# Altium PCB HYDRA_V4_LINK_OLD.PcbDoc (part 1 of 2) (continued)
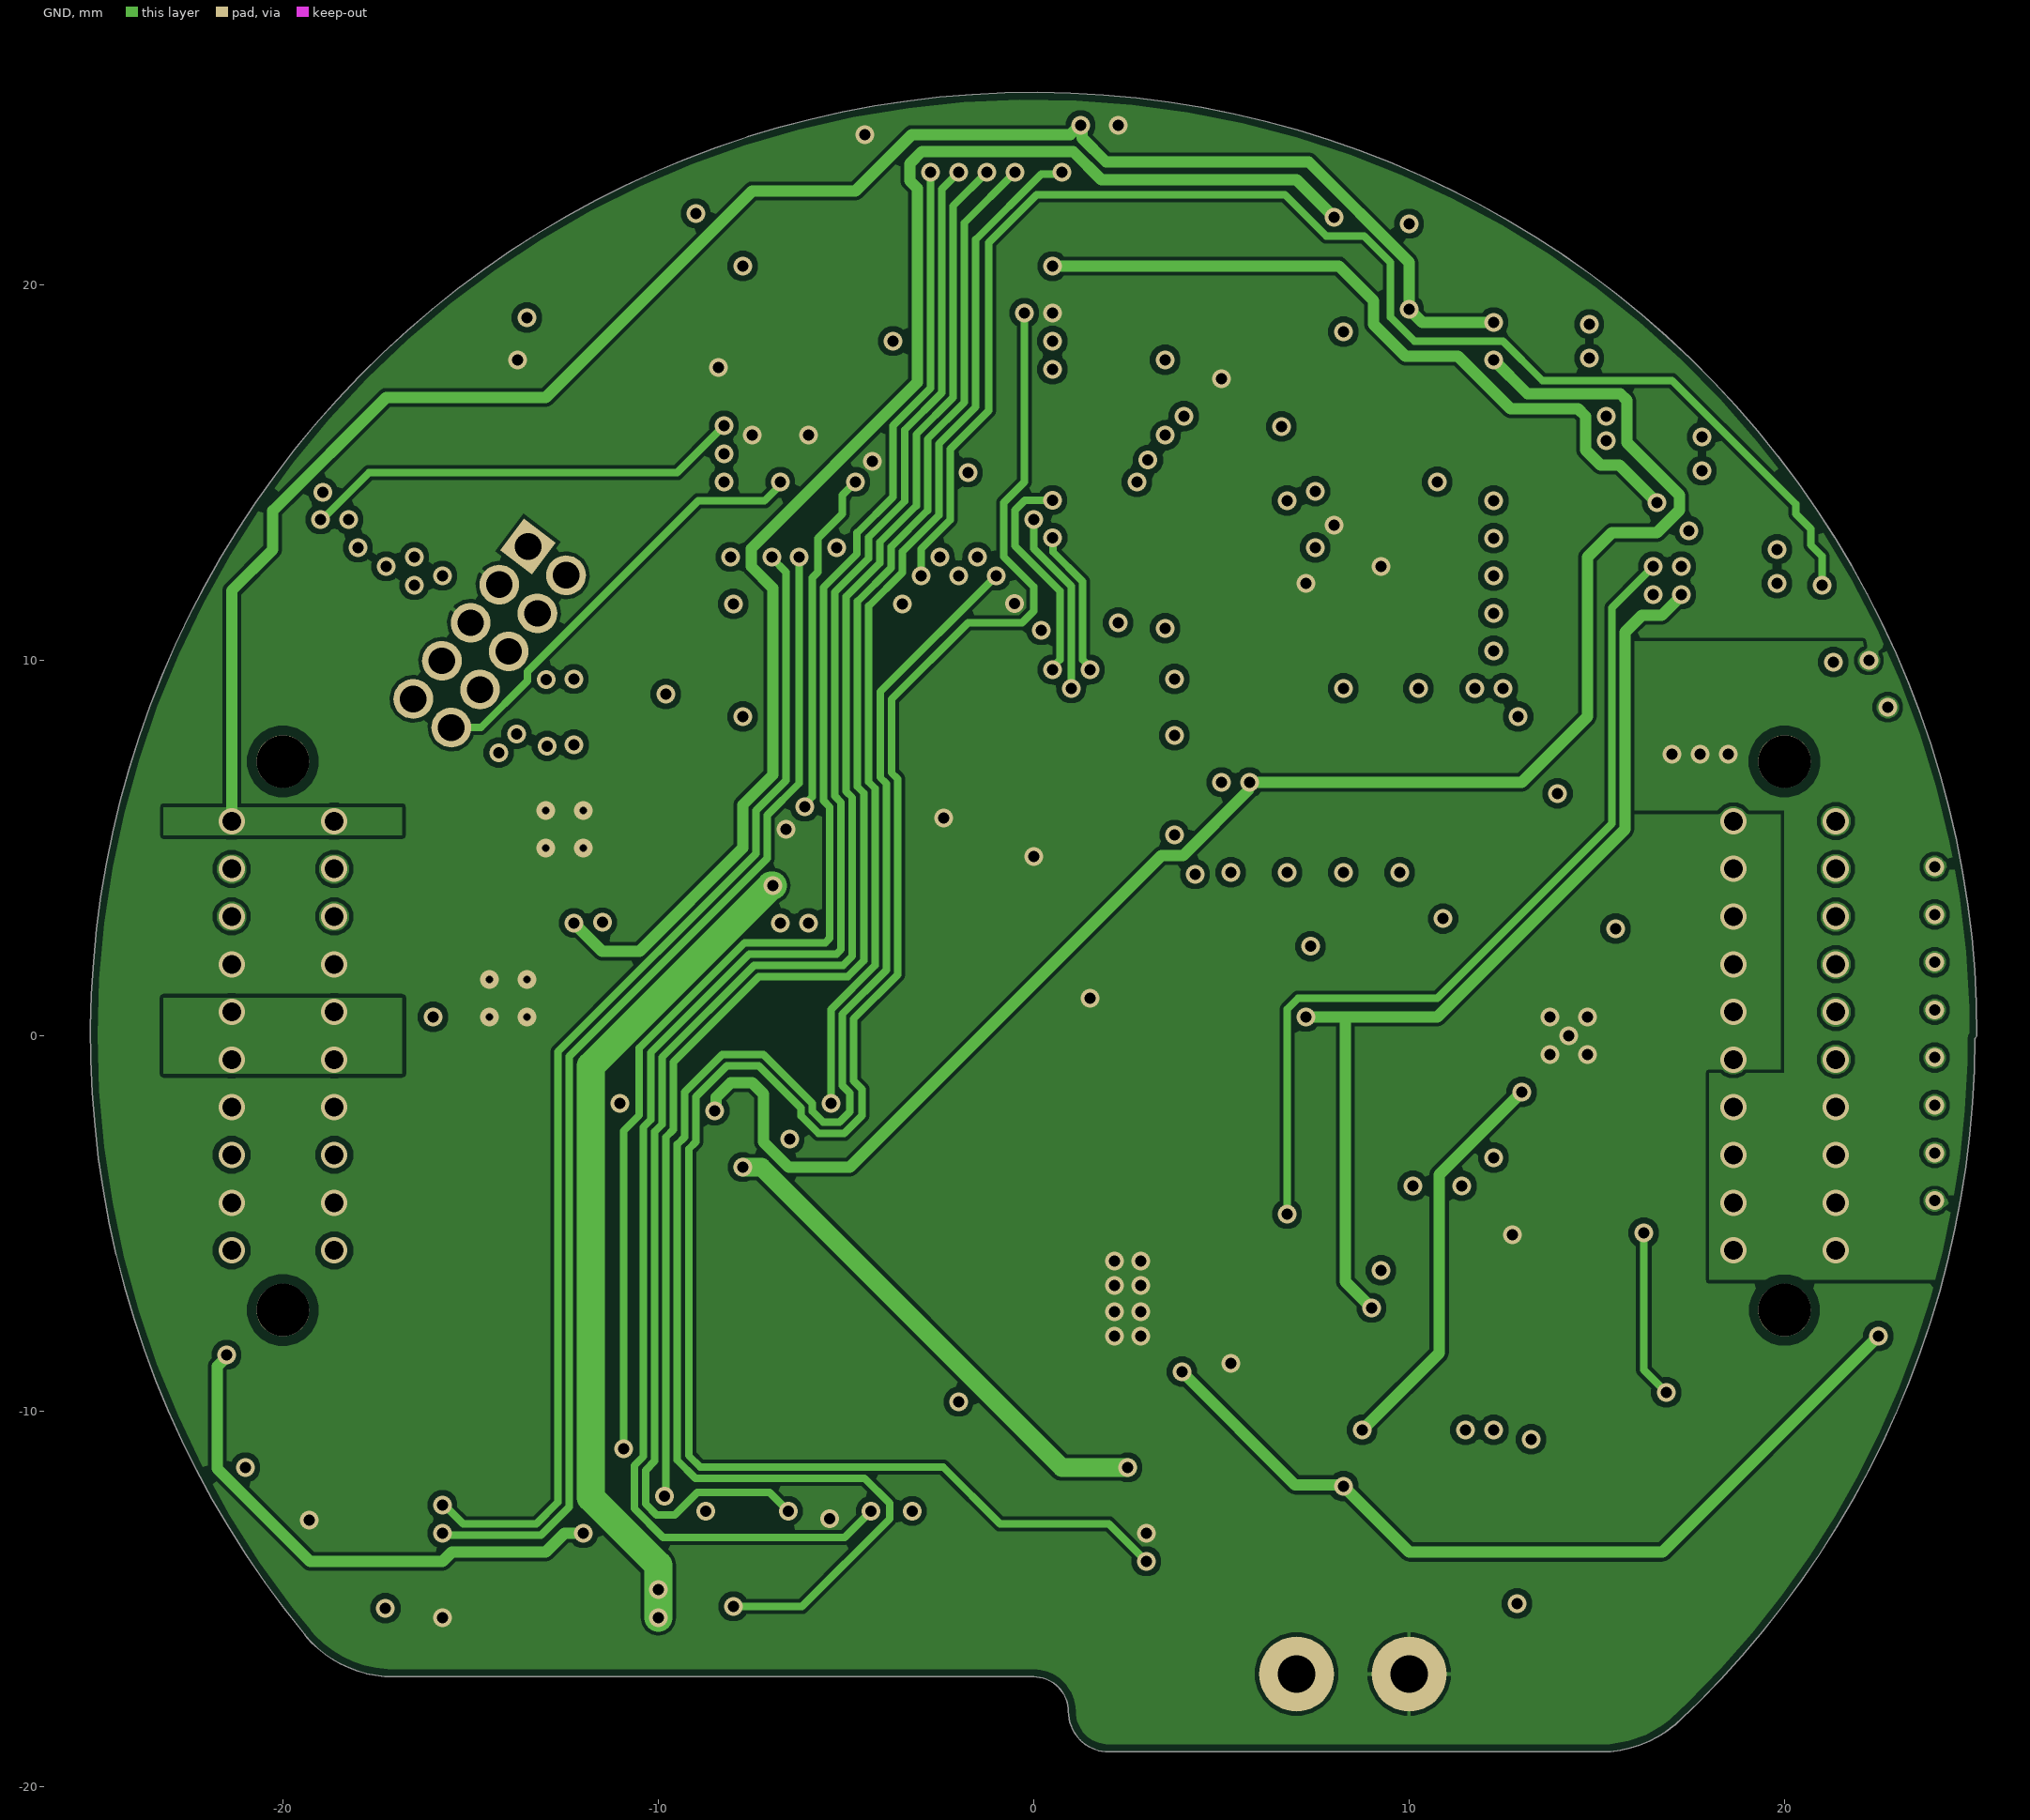
[diagram p3: GND]
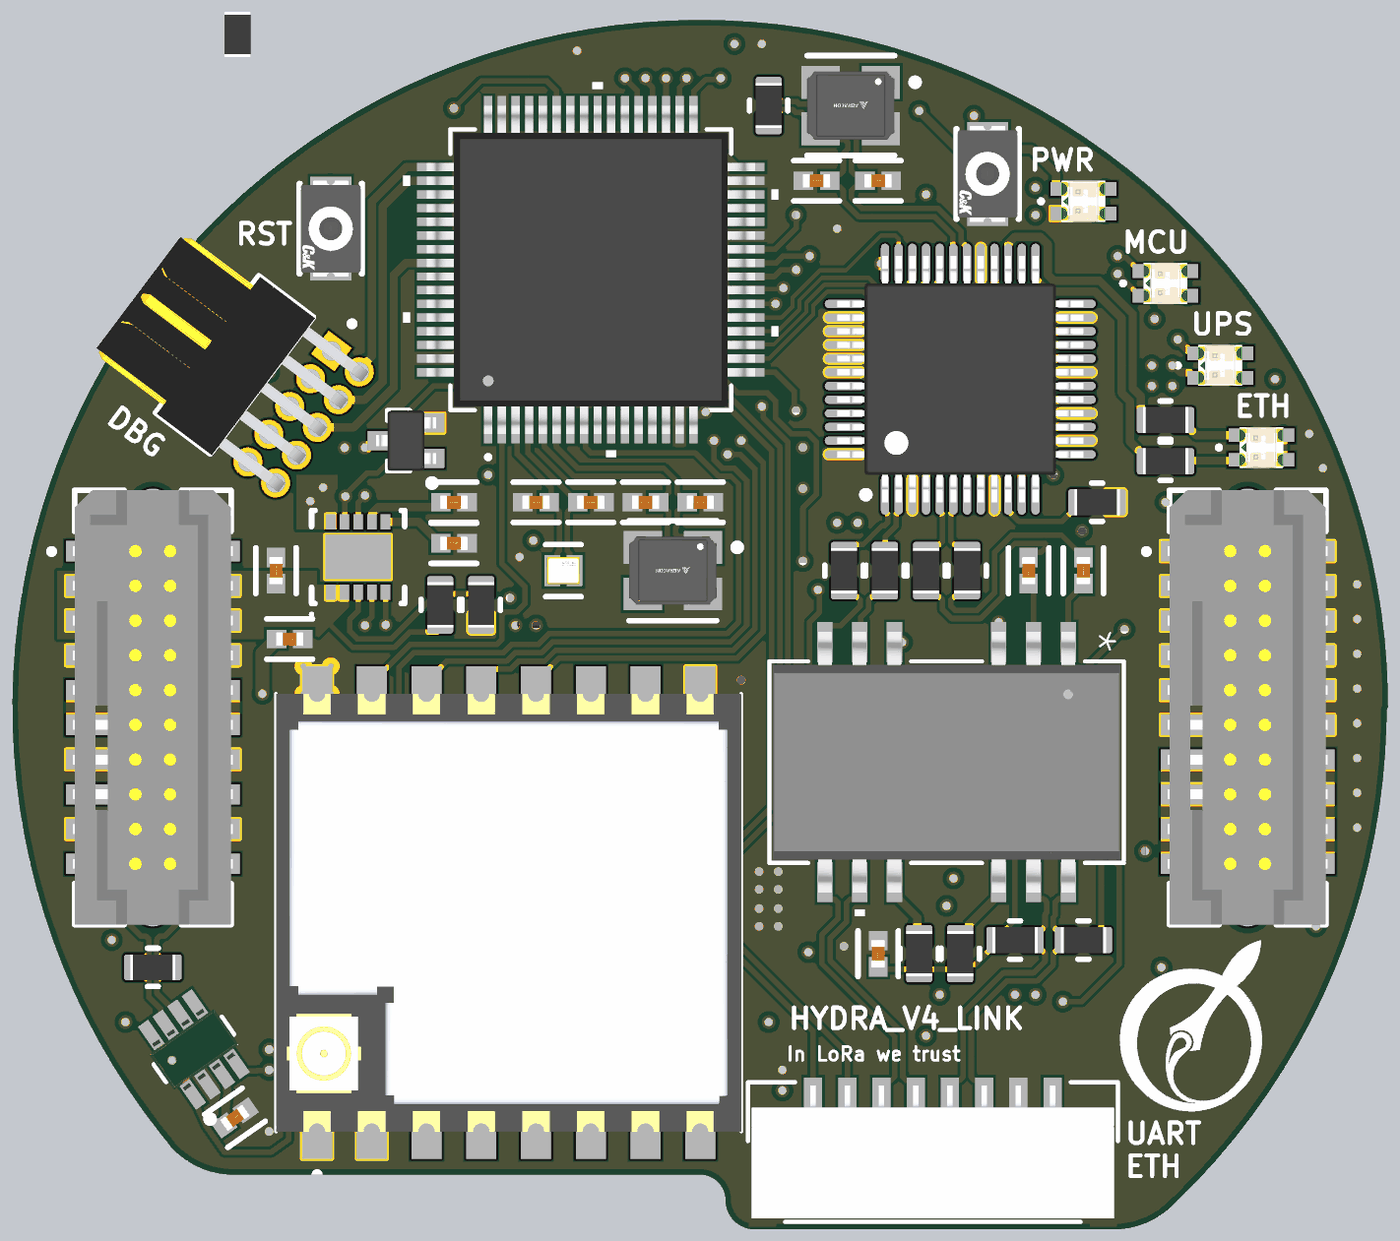
[diagram p5: 3D render of the assembled board from above, using the file's embedded part models]
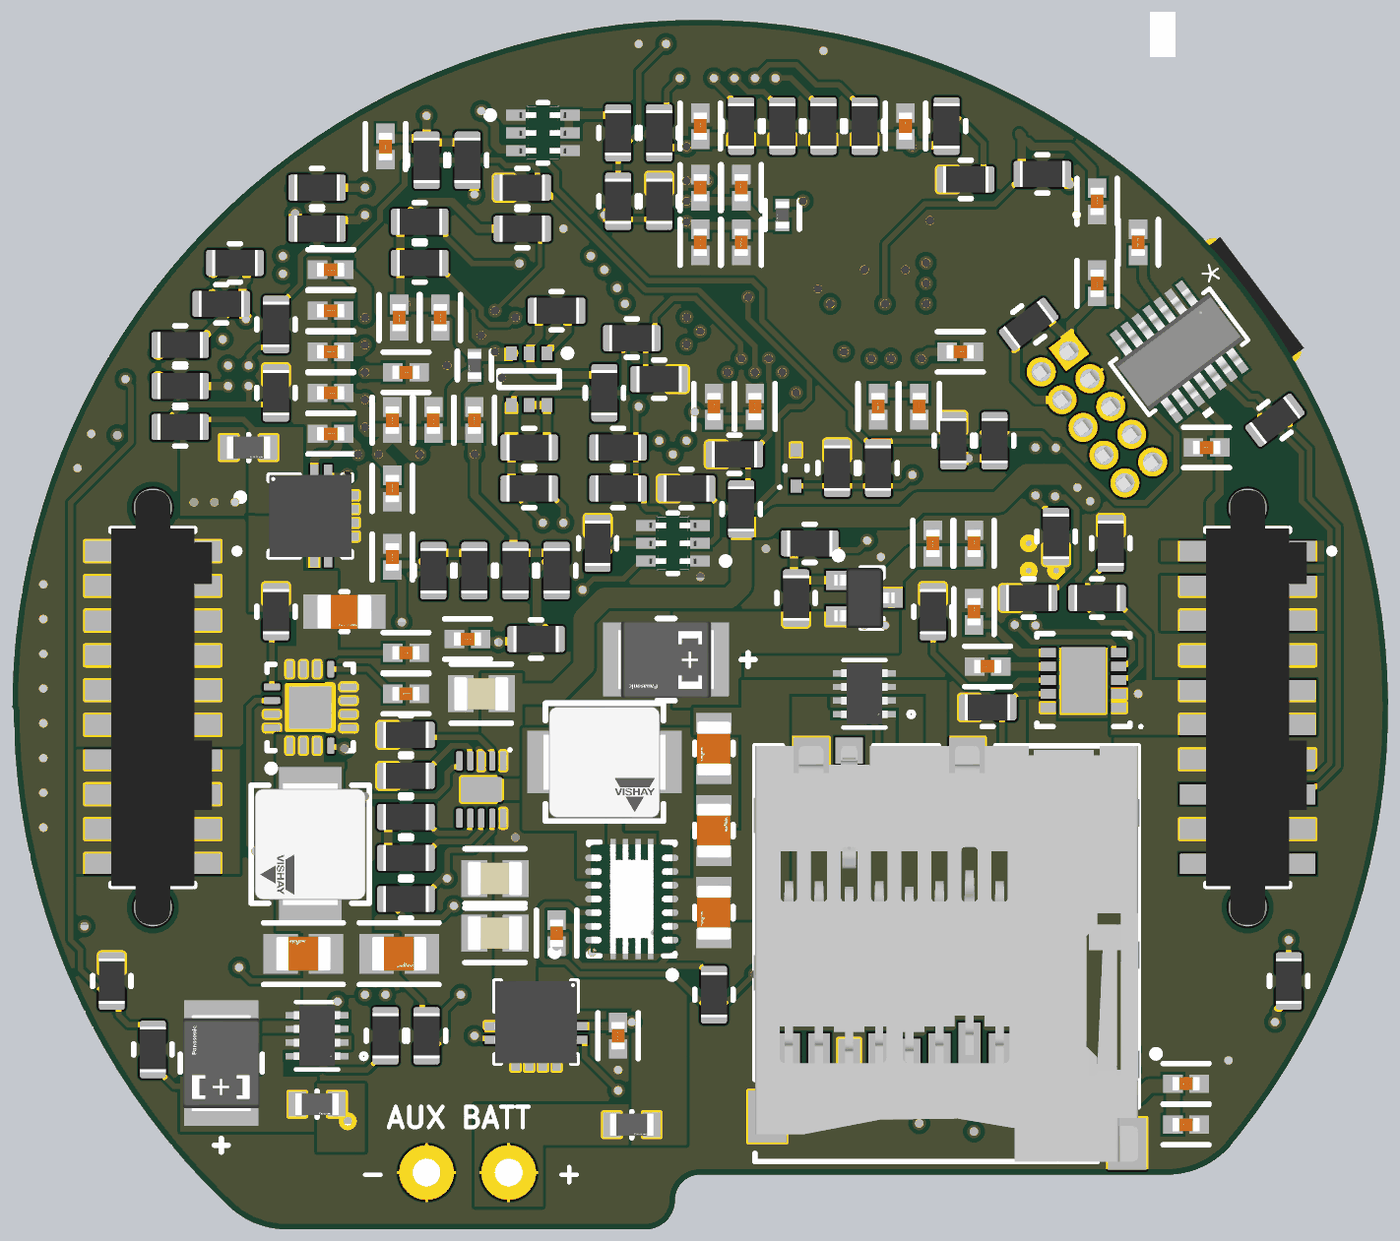
[diagram p6: 3D render of the assembled board from below, using the file's embedded part models]

## Layer stack, top to bottom
Top Solder: solder mask 0.0127, Solder Resist, Dk 3.8
TOP SIG: signal copper 0.035
Dielectric 1: prepreg 0.2104, 7628, Dk 4.6
PWR + INT SIG: signal copper 0.0152
Core: core 1.065, FR-4, Dk 4.5
GND: signal copper 0.0152
Dielectric 2: prepreg 0.2104, 7628, Dk 4.6
BOTTOM SIG: signal copper 0.035
Bottom Solder: solder mask 0.0127, Solder Resist, Dk 3.8

## Board outline
-17.004,-17.075 0,-17.076 0.006,-17.075 cw(c0,-18) 0.925,-17.999 0.925,-18 ccw(c2,-18) 2,-19.075 15.1,-19.075 ccw(c15.1,-16) 17.058,-18.372 17.083,-18.356 ccw(c0,0) 25.075,-0.071 25.126,0 ccw(c0,0) -19.423,-15.939 -19.406,-15.977 ccw(c-17.05,-14)

## Design rules (kind name [scope] priority, off if disabled: settings)
BoardOutlineClearance [All] p1: gap=0.2 ignorepadtopadclearanceinfootprint=FALSE
Clearance [All] p1: gap=0.102 ignorepadtopadclearanceinfootprint=FALSE except(0.127: Arc-Via Track-Via SMDPad-Via THPad-Via Via-Via Via-Fill Via-Poly Via-Region Via-Text; 0.25: Arc-Hole Track-Hole SMDPad-Hole THPad-Hole Via-Hole Fill-Hole Poly-Hole Region-Hole Text-Hole)
ComponentClearance [All] p1: gap=0.102 collisioncheckmode=3 verticalgap=0.102 showdistances=TRUE
DiffPairsRouting [All] p1: maxlimit=0.102 minlimit=0.102 mostfreqgap=0.102 toplayer_minwidth=0.102 toplayer_maxwidth=1816.048 toplayer_prefwidth=0.102 midlayer1_minwidth=0.102 midlayer1_maxwidth=1816.048 midlayer1_prefwidth=0.102 midlayer2_minwidth=0.102 midlayer2_maxwidth=1816.048 midlayer2_prefwidth=0.102 bottomlayer_minwidth=0.102 bottomlayer_maxwidth=1816.048 bottomlayer_prefwidth=0.102 maxuncoupledlength=12.7
Height [All] p1: minheight=0 maxheight=1816.048 prefheight=12.7
HoleSize [All] p1: absolutevalues=TRUE maxlimit=6.3 minlimit=0.2 maxpercent=80.000 minpercent=20.000
HoleToHoleClearance [All] p1: gap=0.25 allowstackedmicrovias=FALSE
MinimumAnnularRing [All] p1: minimumring=0.076
MinimumSolderMaskSliver [All] p1: minsoldermaskwidth=0
PlaneClearance [All] p1: clearance=0.102
PlaneConnect PlaneConnectPowerPads [InPadClass('PowerPads')] p1: planeconnectstyle=Direct reliefexpansion=0.508 reliefentries=4 reliefconductorwidth=0.254 reliefairgap=0.254
PlaneConnect [All] p2: pad.planeconnectstyle=Relief pad.reliefexpansion=0.3 pad.reliefentries=4 pad.reliefconductorwidth=0.102 pad.reliefairgap=0.102 via.planeconnectstyle=Direct via.reliefexpansion=0.3 via.reliefentries=4 via.reliefconductorwidth=0.127 via.reliefairgap=0.127
PolygonConnect PolygonConnectPowerPads [All vs (InPadClass('PowerPads'))] p1: connectstyle=Direct reliefconductorwidth=0.254 reliefentries=4 polygonreliefangle="90 Angle" airgapwidth=0.254
PolygonConnect [All] p2: thpad.connectstyle=Relief thpad.reliefconductorwidth=0.102 thpad.reliefentries=4 thpad.polygonreliefangle="90 Angle" thpad.airgapwidth=0.102 smdpad.connectstyle=Direct smdpad.reliefconductorwidth=0.102 smdpad.reliefentries=4 smdpad.polygonreliefangle="90 Angle" smdpad.airgapwidth=0.102 via.connectstyle=Direct via.reliefconductorwidth=0.127 via.reliefentries=4 via.polygonreliefangle="90 Angle" via.airgapwidth=0.127
RoutingVias [All] p1: holewidth=0.2 width=0.45 viastyle="Through Hole" minholewidth=0.2 minwidth=0.45 maxholewidth=6.3 maxwidth=6.55
SilkToSilkClearance [All] p1: silktosilkclearance=0
SilkToSolderMaskClearance [IsPad] p1: minsilkscreentomaskgap=0.102 clearancetoexposedcopper=TRUE
SolderMaskExpansion [All] p1: expansion=0.075 istentingtop=FALSE
Width [All] p1: maxlimit=1816.048 minlimit=0.102 preferedwidth=0.102
Width Width_50SINGLE [InNetClass('50SINGLE')] p2: maxlimit=0.355 minlimit=0.264 preferedwidth=0.355 toplayer_minwidth=0.355 midlayer1_maxwidth=0.264 midlayer1_prefwidth=0.264 midlayer2_maxwidth=0.264 midlayer2_prefwidth=0.264 bottomlayer_minwidth=0.355 impedanceprofiledriven=TRUE impedanceprofileid={61503230-CAF7-4D86-9F86-0761DBFA93B6} impedanceprofilevalue=50.000000 minimp=50.000000 maximp=50.000000 favimp=50.000000
20 further rules are at their usual default settings.

## Classes and differential pairs
net class CAN: CAN0_N CAN0_P CAN1_N CAN1_P
component class FDCAN_1: C68 R101 U15
component class FDCAN_0: C62 C63 C64 C65 R96 R97 R98 SW3 U13
differential pair class ETHERNET: ETH_RX ETH_TX RAW_RX RAW_TX RX TX
differential pair class ETH_RAW: RAW_RX RAW_TX
component class OC_PROT: C1 C2 C3 C4 C5 C6 D1 D2 Q5 R1 R2 R3 R4 R5 R6 R7 R8 R9 R10 R11 R12 R13 R14 R15 R16 R26 R83 R84 U1 U2
component class AUX_RADIO_UPS: C20 C21 C22 C23 C24 C25 C26 F2 F3 L2 Q3 R42 R43 R46 R47 R50 R54 R55 R56 R57 R58 R59 U8 U9 U10
component class RADIO: C16 C17 Q2 R34 R35 U7
component class UPS: C7 C8 C9 C10 C11 C12 C13 C14 C15 D3 F1 L1 Q1 R17 R18 R19 R20 R21 R22 R23 R24 R25 R27 R28 R29 R30 R31 R32 U3 U4 U5 U6
component class SD: C18 C19 R36 R37 R38 R39 R40 R41 SD1
component class ETHERNET: C27 C28 C29 C30 C31 C32 C33 C34 C35 C36 C37 C38 C39 C40 C41 C42 C43 C44 D5 FB1 Q4 R60 R61 R62 R63 R64 R65 R66 R67 R68 R69 R70 R71 R72 R73 R74 R75 R76 R77 R78 R79 R80 R81 R82 T1 U11 Y1
component class HYDRA_V4_LINK: J1 J2 J3 J4 J6
component class MCU: C45 C46 C47 C48 C49 C50 C51 C52 C53 C54 C55 C56 C57 C58 C59 C61 D7 FB2 J5 R85 R90 R91 R93 R95 SW2 U12 Y2 Y3
differential pair X: +X_P -X_N
differential pair X32: +X32_P -X32_N
differential pair ETH_X: +ETH_X_P -ETH_X_N
differential pair TX: +TX_P -TX_N
differential pair RX: +RX_P -RX_N
differential pair RAW_TX: +RAW_TX_P -RAW_TX_N
differential pair RAW_RX: +RAW_RX_P -RAW_RX_N
differential pair ETH_TX: +ETH_TX_P -ETH_TX_N
differential pair ETH_RX: +ETH_RX_P -ETH_RX_N
differential pair CAN1: +CAN1_P -CAN1_N
differential pair CAN0: +CAN0_P -CAN0_N

## Components (designator, comment, footprint, x,y, rotation, side; value= is the part's Value field where it differs from the comment)
C1 "100n" FP-0402-L_1_0_0_05-W_0_5-IPC_A -15.5,5 r90 top
C2 "100n" FP-0402-L_1_0_0_05-W_0_5-IPC_A -9,7.5 r0 top
C3 "TBD" FP-0402-L_1_0_0_05-W_0_5-IPC_A -9,6 r0 top
C4 "100n" FP-0402-L_1_0_0_05-W_0_5-IPC_A -15,2.5 r0 top
C5 "100n" FP-0402-L_1_0_0_05-W_0_5-IPC_A -10.5,1.5 r0 bottom
C6 "TBD" FP-0402-L_1_0_0_05-W_0_5-IPC_A -10,3.5 r90 bottom
C7 "C0805C106K8PACTU" FP-C0805C-DG-MFG 8,0.5 r0 bottom value=10uF
C8 "100n" FP-0402-L_1_0_0_05-W_0_5-IPC_A 3,-12 r270 bottom
C9 "C0805C106K8PACTU" FP-C0805C-DG-MFG 7.5,-6.25 r0 bottom value=10uF
C10 "C0805C106K8PACTU" FP-C0805C-DG-MFG 7.5,-8.25 r0 bottom value=10uF
C11 "GRM21BR60J226ME39L" FP-GRM21B-0_15-MFG -0.5,-7.5 r270 bottom
C12 "GRM21BR60J226ME39L" FP-GRM21B-0_15-MFG -0.5,-4.5 r90 bottom
C13 "GRM21BR60J226ME39L" FP-GRM21B-0_15-MFG -0.5,-1.5 r270 bottom
C14 "100n" FP-0402-L_1_0_0_05-W_0_5-IPC_A 5.25,-8.25 r270 bottom
C15 "4TPE100MZB" FP-POSCAP-B2-MFG 1.25,1.75 r180 bottom
C16 "10u" FP-0402-L_1_0_0_05-W_0_5-IPC_A -8.5,6 r90 bottom
C17 "100n" FP-0402-L_1_0_0_05-W_0_5-IPC_A -10,6 r90 bottom
C18 "10u" FP-0402-L_1_0_0_05-W_0_5-IPC_A -17.75,-15.25 r180 bottom
C19 "100n" FP-0402-L_1_0_0_05-W_0_5-IPC_A -17.75,-13.75 r180 bottom
C20 "100n" FP-0402-L_1_0_0_05-W_0_5-IPC_A 13.5,10 r0 bottom
C21 "GRM21BR61E226ME44L" FP-GRM21B-0_2-e0_2_0_7-IPC_B 14.5,-9 r0 bottom
C22 "GRM21BR61E226ME44L" FP-GRM21B-0_2-e0_2_0_7-IPC_B 11,-9 r180 bottom
C23 "TMK212BBJ106KG-T" FP-0805-L_2_0_0_2-W_1_25-MFG 13,3.5 r180 bottom
C24 "100n" FP-0402-L_1_0_0_05-W_0_5-IPC_A 10.75,2 r180 bottom
C25 "3.3n" FP-0402-L_1_0_0_05-W_0_5-IPC_A 10.75,0.5 r0 bottom
C26 "4TPE100MZB" FP-POSCAP-B2-MFG 17.5,-13 r270 bottom
C27 "6.8n" FP-0402-L_1_0_0_05-W_0_5-IPC_A 14,5 r270 top
C28 "6.8n" FP-0402-L_1_0_0_05-W_0_5-IPC_A 12,5 r270 top
C29 "22n" FP-0402-L_1_0_0_05-W_0_5-IPC_A 8.5,2.5 r0 bottom
C30 "10n" FP-0402-L_1_0_0_05-W_0_5-IPC_A 11.25,5.5 r90 bottom
C31 "4.7n" FP-0402-L_1_0_0_05-W_0_5-IPC_A 6.5,-9 r90 top
C32 "10u" FP-0402-L_1_0_0_05-W_0_5-IPC_A 9.75,10.5 r90 bottom
C33 "100n" FP-0402-L_1_0_0_05-W_0_5-IPC_A 8.25,10.5 r90 bottom
C34 "100n" FP-0402-L_1_0_0_05-W_0_5-IPC_A 11.25,10.5 r90 bottom
C35 "100n" FP-0402-L_1_0_0_05-W_0_5-IPC_A 11.25,8 r270 bottom
C36 "100n" FP-0402-L_1_0_0_05-W_0_5-IPC_A 13.5,11.5 r0 bottom
C37 "100n" FP-0402-L_1_0_0_05-W_0_5-IPC_A 13.5,13 r0 bottom
C38 "100n" FP-0402-L_1_0_0_05-W_0_5-IPC_A 13.5,14.5 r0 bottom
C39 "10u" FP-0402-L_1_0_0_05-W_0_5-IPC_A 9.5,14.25 r270 bottom
C40 "100n" FP-0402-L_1_0_0_05-W_0_5-IPC_A 11,14.25 r270 bottom
C41 "10n" FP-0402-L_1_0_0_05-W_0_5-IPC_A 13.5,16 r0 bottom
C42 "4.7u" FP-0402-L_1_0_0_05-W_0_5-IPC_A 10.75,12.25 r180 bottom
C43 "30p" FP-0402-L_1_0_0_05-W_0_5-IPC_A 6.5,19.25 r0 top
C44 "30p" FP-0402-L_1_0_0_05-W_0_5-IPC_A 4.25,19.25 r180 top
C45 "4.7u" FP-0402-L_1_0_0_05-W_0_5-IPC_A -2,11 r90 bottom
C46 "100n" FP-0402-L_1_0_0_05-W_0_5-IPC_A -0.5,11 r90 bottom
C47 "100n" FP-0402-L_1_0_0_05-W_0_5-IPC_A 0,21.25 r90 bottom
C48 "100n" FP-0402-L_1_0_0_05-W_0_5-IPC_A -7.5,21.25 r90 bottom
C49 "100n" FP-0402-L_1_0_0_05-W_0_5-IPC_A -9.5,13 r180 bottom
C50 "1u" FP-0402-L_1_0_0_05-W_0_5-IPC_A -1.5,19 r90 bottom
C51 "100n" FP-0402-L_1_0_0_05-W_0_5-IPC_A 0,19 r90 bottom
C52 "1u" FP-0402-L_1_0_0_05-W_0_5-IPC_A -6.5,11 r270 bottom
C53 "100n" FP-0402-L_1_0_0_05-W_0_5-IPC_A -8,11 r270 bottom
C54 "1u" FP-0402-L_1_0_0_05-W_0_5-IPC_A -1.5,17 r270 bottom
C55 "100n" FP-0402-L_1_0_0_05-W_0_5-IPC_A 0,17 r270 bottom
C56 "30p" FP-0402-L_1_0_0_05-W_0_5-IPC_A 0,7.5 r0 top
C57 "30p" FP-0402-L_1_0_0_05-W_0_5-IPC_A -2,7.5 r180 top
C58 "18p" FP-0402-L_1_0_0_05-W_0_5-IPC_A -6,7.5 r180 top
C59 "18p" FP-0402-L_1_0_0_05-W_0_5-IPC_A -4,7.5 r0 top
C61 "100n" FP-0402-L_1_0_0_05-W_0_5-IPC_A -14.5,18.5 r270 bottom
C62 "100n" FP-0402-L_1_0_0_05-W_0_5-IPC_A -16,17 r90 bottom
C63 "100n" FP-0402-L_1_0_0_05-W_0_5-IPC_A -18.5,9.5 r0 bottom
C64 "100n" FP-0402-L_1_0_0_05-W_0_5-IPC_A -14.5,15.5 r90 bottom
C65 "100n" FP-0402-L_1_0_0_05-W_0_5-IPC_A 11.5,20.5 r270 bottom
C68 "100n" FP-0402-L_1_0_0_05-W_0_5-IPC_A -17,-15 r35 top
D1 "MM5Z3V3T1G" ONSC-SOD-523-2-502-01_V -3.5,8.75 r90 bottom
D2 "150066RG54050" WL-SBCD_0606 14,18.5 r90 top locked
D3 "150066RG54050" WL-SBCD_0606 19,12.5 r90 top locked
D5 "150066RG54050" WL-SBCD_0606 20.5,9.5 r90 top locked
D7 "150066RG54050" WL-SBCD_0606 17,15.5 r90 top locked
F1 "ERB-RE2R00V" FP-ERBRE-MFG 2.5,-15.25 r180 bottom
F2 "ERB-RE2R00V" FP-ERBRE-MFG 16.5,9.5 r180 bottom
F3 "ERB-RE2R00V" FP-ERBRE-MFG 14,-14.5 r180 bottom
FB1 "BLM15AG121SN1D" FP-BLM15-0_05-MFG 8.25,12.5 r270 bottom
FB2 "BLM15PX601SN1D" FP-BLM15-0_05-MFG -3,18 r270 bottom
J1 "SFML-110-02-L-D-A" SFML-110-02-L-D-A-Footprint-1 -20,0 r270 bottom locked
J2 "SFML-110-02-L-D-A" SFML-110-02-L-D-A-Footprint-1 20,0 r270 bottom locked
J3 "TFML-110-02-L-D-A" TFML-110-02-L-D-A-Footprint-1 -20,0 r270 top locked
J4 "TFML-110-02-L-D-A" TFML-110-02-L-D-A-Footprint-1 20,0 r270 top locked
J5 "FTSH-105-01-F-D-RA-K" FTSH-105-01-F-D-RA-K-Footprint-1 -15,11 r53 top locked
J6 "SM08B-GHS-TB(LF)(SN);-" SM08B-GHS-TB(LF)(SN);--Footprint-1 8.5,-16.25 r0 top locked
L1 "IHLP1616ABER1R0M01" FP-IHLP-1616AB-FP_1_8545x-MFG 3.5,-2 r180 bottom
L2 "IHLP1616ABER1R0M01" FP-IHLP-1616AB-FP_1_8545x-MFG 14.25,-5 r270 bottom
Q1 "BSS138W-7-F" DIOD-SOT323-3_V -10.75,9.75 r180 top
Q2 "DMG1013UW-7" DIOD-SOT323-3_V -6,4 r180 bottom
Q3 "SSM6N7002KFU,LF" FP-SSOP6-P-0_65A-MFG 1,6 r0 bottom
Q4 "NTJD4105CT1G/findCheaperALT" ONSC-SOT-363-6-419B-02_W_V 6.25,12 r270 bottom
Q5 "SSM6N7002KFU,LF" FP-SSOP6-P-0_65A-MFG 5.75,21 r180 bottom
R1 "1M" R0603B -9.5,3.75 r90 top
R2 "680k" R0603B -8,3.75 r270 top
R3 "1k" R0603B -1.5,7.25 r270 bottom
R4 "68k" R0603B -13,6.25 r270 bottom
R5 "110k" R0603B -12,4 r0 bottom
R6 "10k" R0603B -1.25,9.25 r180 bottom
R7 "1k" R0603B -6.5,8.75 r90 bottom
R8 "100k" R0603B -5,8.75 r270 bottom
R9 "1M" R0603B -14.5,4 r0 bottom
R10 "680k" R0603B -15,6 r90 bottom
R11 "10k" R0603B 2.5,13.5 r0 bottom
R12 "68k" R0603B -8.5,3.5 r90 bottom
R13 "110k" R0603B -10.5,0 r0 bottom
R14 "10k" R0603B 1.5,12 r0 bottom
R15 "330" R0603B 14,17.5 r0 bottom
R16 "1k" R0603B 14,19 r0 bottom
R17 "560" R0603B 10.75,-1 r0 bottom
R18 "10k" R0603B 10.75,-4 r180 bottom
R19 "10k" R0603B 10.75,-5.5 r180 bottom
R20 "1k" R0603B 10.75,-2.5 r0 bottom
R21 "10k" R0603B 10.75,-7 r180 bottom
R22 "2.7k" R0603B 19,11.75 r180 bottom
R23 "1k" R0603B 19,13.25 r180 bottom
R24 "100k" R0603B 15.5,14 r90 bottom
R25 "100k" R0603B 6.5,19 r0 bottom
R26 "100k" R0603B 3,21 r90 bottom
R27 "100k" R0603B 6.25,8 r180 bottom
R28 "24k" R0603B -9,21.25 r90 bottom
R29 "100k" R0603B -9.7,19.3 r0 bottom
R30 "100k" R0603B -0.5,-10.5 r270 bottom
R31 "1k" R0603B -10.75,9.75 r270 bottom
R32 "100k" R0603B -9.25,9.75 r90 bottom
R34 "1k" R0603B -4,6 r0 bottom
R35 "100k" R0603B -3.5,4 r270 bottom
R36 "10k" R0603B -4.5,21.25 r90 bottom
R37 "10k" R0603B -6,21.25 r90 bottom
R38 "10k" R0603B -21.5,-10 r90 bottom
R39 "10k" R0603B -3,21.25 r90 bottom
R40 "10k" R0603B -1.5,21.25 r90 bottom
R41 "10k" R0603B 1.5,21 r90 bottom
R42 "100k" R0603B 19,10.25 r180 bottom
R43 "24k" R0603B 15.5,11.5 r270 bottom
R46 "100k" R0603B 15.5,3.5 r90 bottom
R47 "100k" R0603B 10,-12 r90 bottom
R50 "100k" R0603B 0.5,8 r0 bottom
R54 "100k" R0603B 3,9.5 r180 bottom
R55 "100k" R0603B 3,8 r180 bottom
R56 "100k" R0603B 20,-12.5 r270 bottom
R57 "100k" R0603B 21.5,-10 r270 bottom
R58 "100k" R0603B 11.5,-12 r270 bottom
R59 "100k" R0603B 3.75,6 r90 bottom
R60 "49.9 1%" R0603B 6.75,5 r90 bottom
R61 "33" R0603B 6.75,5 r90 top
R62 "10k" R0603B 6.5,17.5 r0 bottom
R63 "49.9 1%" R0603B 5.25,5 r270 bottom
R64 "33" R0603B 5.25,5 r90 top
R65 "75 1%" R0603B 9.5,-9 r270 top
R66 "75 1%" R0603B 8,-9 r270 top
R67 "33" R0603B 9.75,5 r90 top
R68 "49.9 1%" R0603B 9.75,5 r90 bottom
R69 "150 1%" R0603B 14,-8.5 r180 top
R70 "33" R0603B 8.25,5 r90 top
R71 "10k" R0603B 10.25,17.75 r0 bottom
R72 "49.9 1%" R0603B 8.25,5 r270 bottom
R73 "150 1%" R0603B 11.5,-8.5 r180 top
R74 "12.4k 1%" R0603B 14.5,7.5 r0 top
R75 "10k" R0603B 10.25,16.25 r0 bottom
R76 "10 1%" R0603B 6,2.5 r0 bottom
R77 "330" R0603B 17,9 r0 top
R78 "330" R0603B 17,10.5 r0 top
R79 "1M" R0603B 2.5,22 r90 top
R80 "100k" R0603B 6.25,9.5 r0 bottom
R81 "1k" R0603B 3.5,11.5 r270 bottom
R82 "100k" R0603B 5.25,14.5 r0 bottom
R83 "100k" R0603B 3,18.5 r90 bottom
R84 "24k" R0603B 1.5,18.5 r270 bottom
R85 "10k" R0603B -12,14 r143 bottom
R90 "330" R0603B 17.5,14.75 r180 bottom
R91 "330" R0603B 17,16.25 r180 bottom
R93 "330" R0603B -12.5,19.5 r180 bottom
R95 "10k" R0603B -16.9,24.6 r270 top
R96 "10k" R0603B 10,20 r270 bottom
R97 "120" R0603B -21,10.5 r143 bottom
R98 "1k" R0603B 8.5,20 r270 bottom
R101 "120" R0603B -20,-9.5 r180 top locked
SD1 "473521001" MOLX-473521001_V -9,-9 r180 bottom
SW2 "KXT331LHS" FP-KXT331LHS-MFG -13.5,17.5 r270 top locked
SW3 "KXT331LHS" FP-KXT331LHS-MFG 10.5,19.5 r270 top locked
T1 "ALANL100X1-DE12DT" ALANL100X1-DE12DT-Footprint-1 9,-2 r270 top
U1 "TPS16412DRCR" PSON50P300X100_HS-11N -12.5,5.5 r90 top
U2 "TPS16412DRCR" PSON50P300X100_HS-11N -14,1 r0 bottom
U3 "BQ24040DSQR" DSQ0010A_V 8,-3 r270 bottom
U4 "ACS711KEXLT-15AB-T" ALEG-EX-12_V 6,-11.5 r270 bottom
U5 "TPS63021DSJR" FP-DSJ0014A-MFG 2.5,-7 r90 bottom
U6 "LM66200DRLR" LM66200DRLR-Footprint-1 -6,0.5 r0 bottom
U7 "AiThinker RA-02 LoRa Module" "AiThinker RA-02 LoRa Module-Footprint-1" -7,-7.5 r90 top locked
U8 "ACS711KEXLT-15AB-T" ALEG-EX-12_V 14.25,7 r180 bottom
U9 "TPS62133RGTR" RGT0016C_V 14.25,0 r90 bottom
U10 "LM66200DRLR" LM66200DRLR-Footprint-1 14,-12 r0 bottom
U11 "W5500" TSQFP50P900X900X160-48N 9.5,12 r90 top
U12 "STM32G473RET6TR" STM32G473RET6TR-Footprint-1 -4,16 r90 top
U13 "TCAN1146DYYRQ1" TCAN1146DYYRQ1-Footprint-1 -17.5,13 r233 bottom
U15 "TCAN330GDCNR" FP-DCN0008A-MFG -18.5,-12.5 r125 top locked
Y1 "ABM8G-25.000MHZ-18-D2Y-T" FP-ABM8G-MFG 5.5,22 r180 top
Y2 "ABM8G-25.000MHZ-18-D2Y-T" FP-ABM8G-MFG -1,5 r180 top
Y3 "ECS-.327-12.5-1210-TR" FP-ECX-1210-MFG -5,5 r0 top
